# Altium PCB 温湿度光照传感.PcbDoc
Units mm, origin at the board's own origin, x right, y up, seen from the top; angles counter-clockwise.
Board outline 66.85 x 76.13 mm, 2 copper layers (Top Layer, Bottom Layer); 35 components, 39 nets, 138 pads, 159 vias.
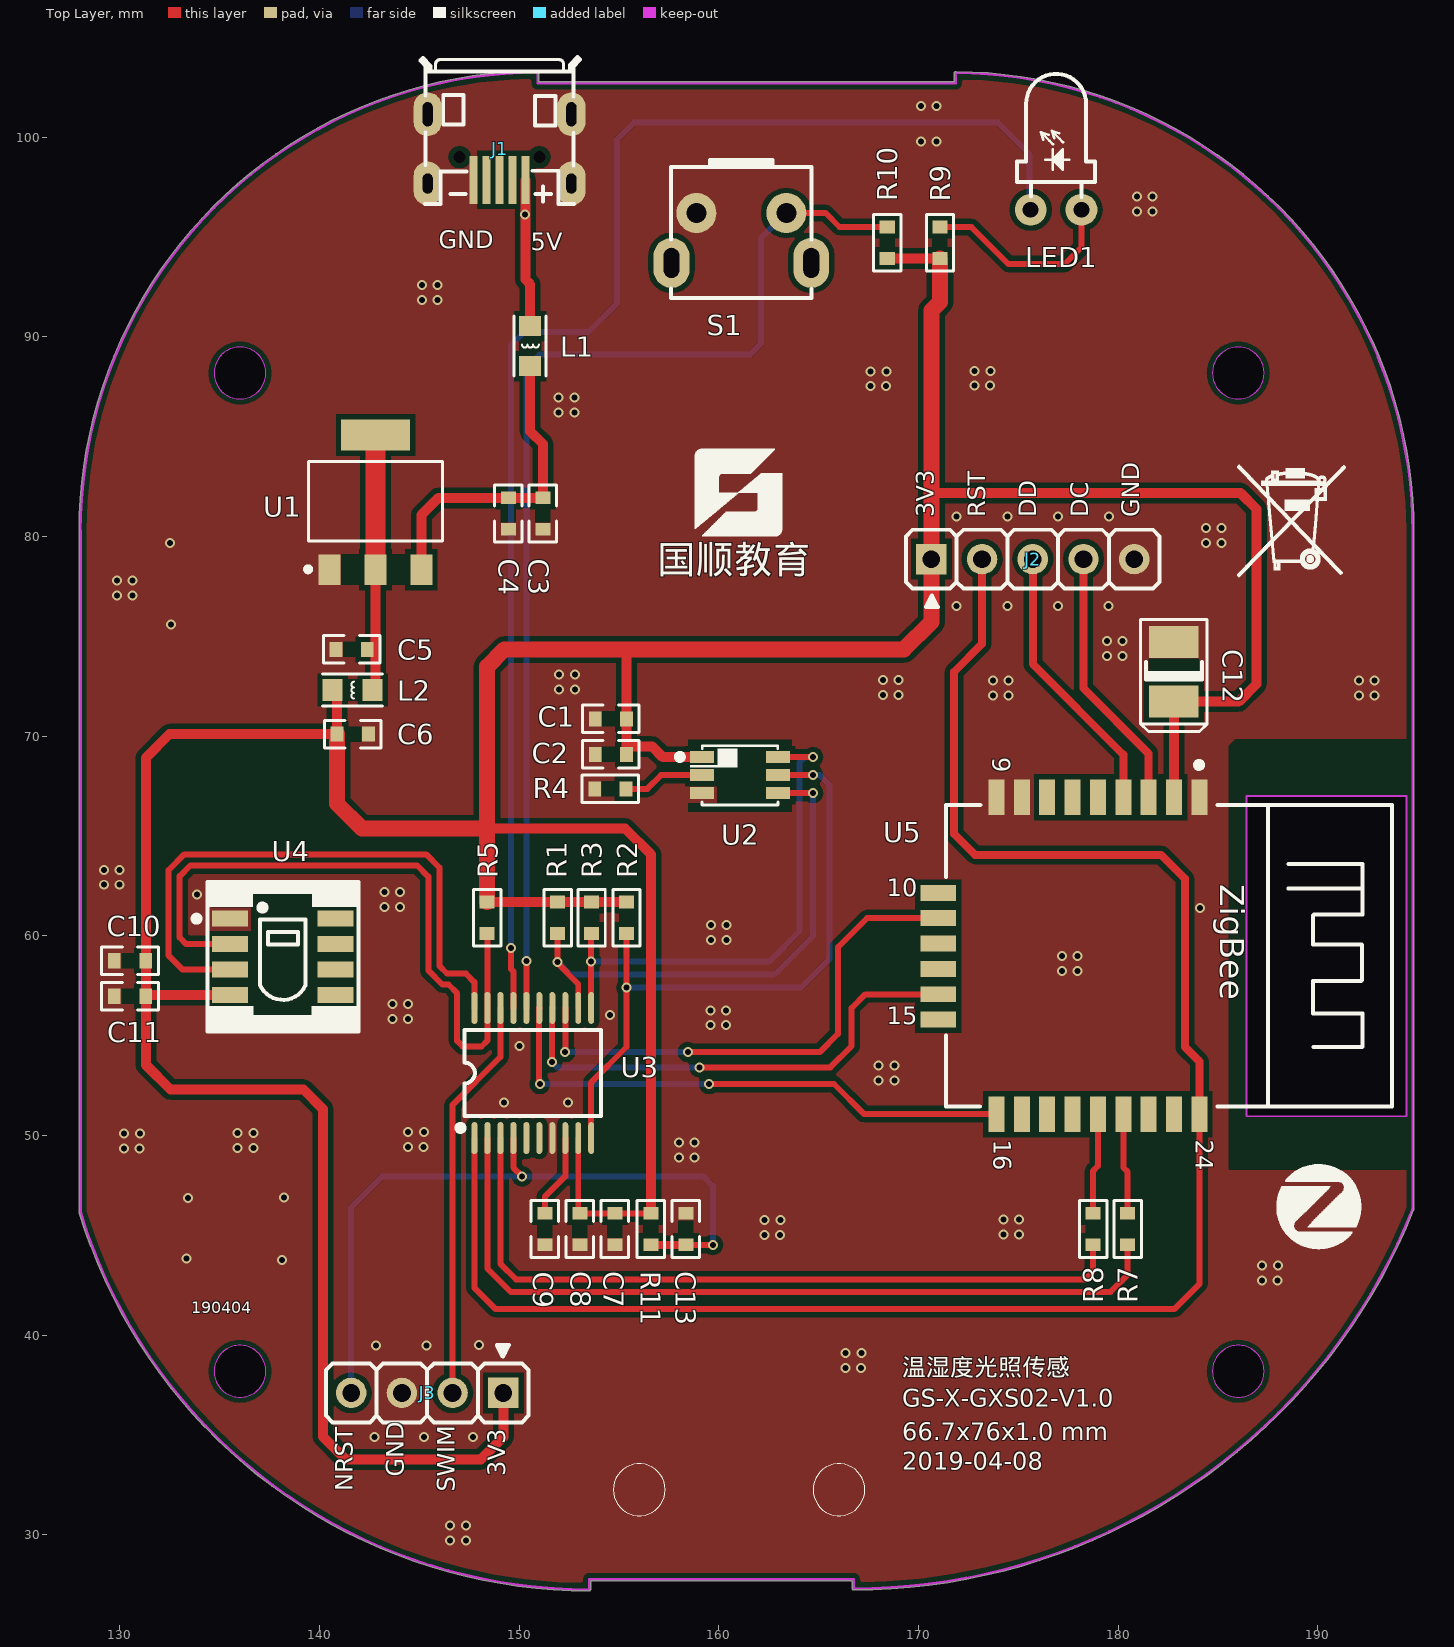
[diagram p0: Top Layer view]
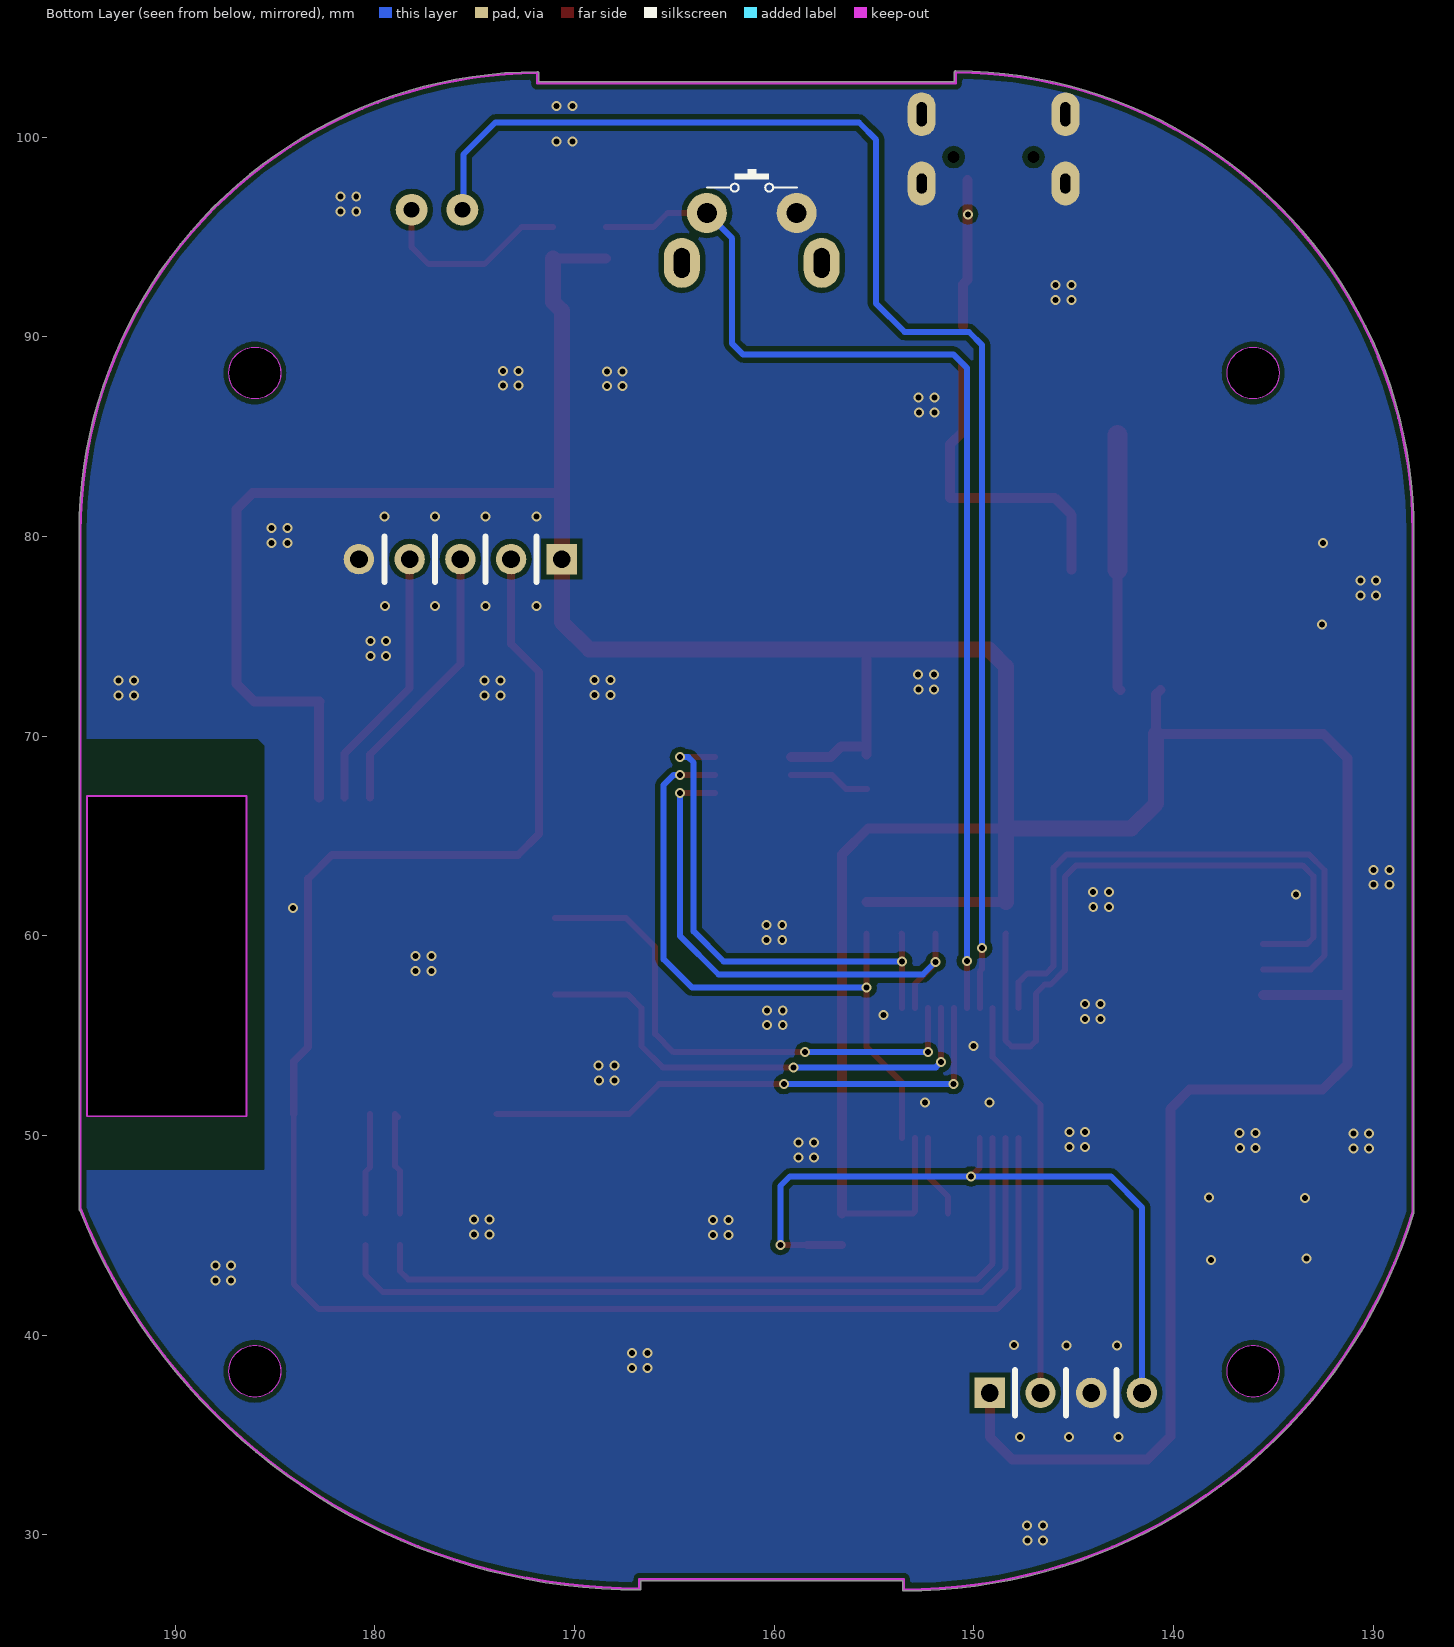
[diagram p1: Bottom Layer view, seen from below]
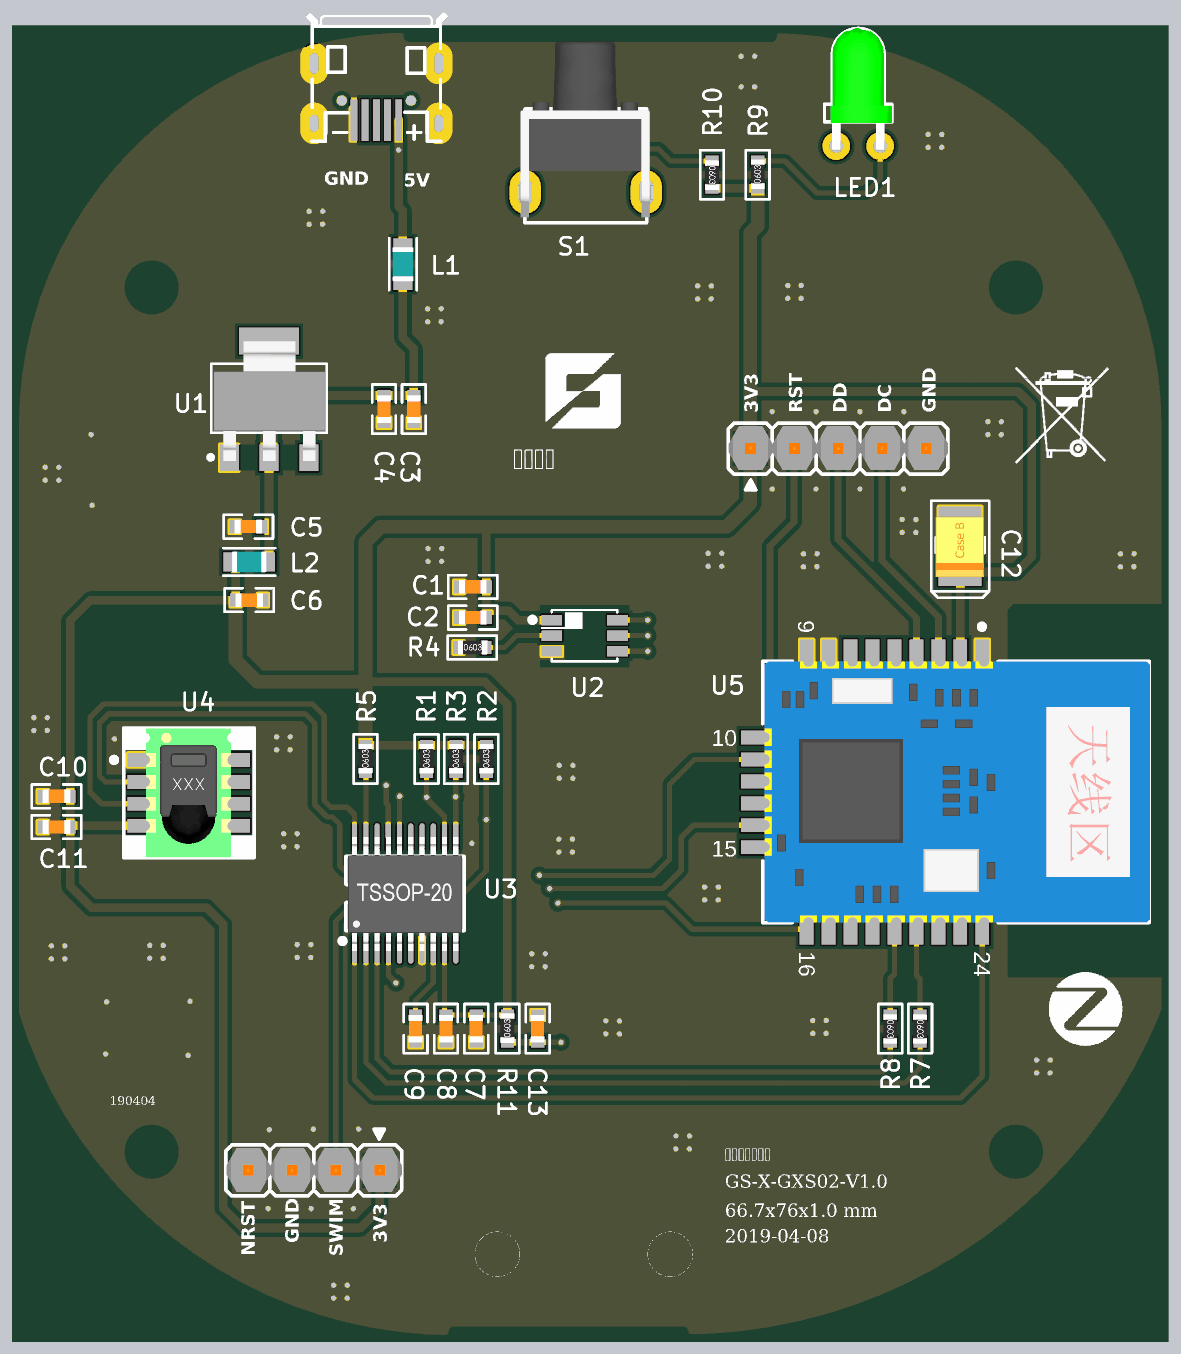
[diagram p2: 3D render of the assembled board from above, using the file's embedded part models]

## Layer stack, top to bottom
Top Solder: solder mask 0.0102, Solder Resist, Dk 3.5
Top Layer: signal copper 0.0356
Dielectric1: dielectric 0.32, FR-4, Dk 4.8
Bottom Layer: signal copper 0.0356
Bottom Solder: solder mask 0.0102, Solder Resist, Dk 3.5

## Board outline
127.969,46.124 cw(c128.024,46.157) 127.96,46.157 127.96,80.232 cw(c128.019,80.256) 127.955,80.256 cw(c151.019,80.256) 150.908,103.32 cw(c150.908,103.256) 150.972,103.256 cw(c150.908,103.256) 150.966,103.229 cw(c150.915,103.191) 150.979,103.191 150.979,102.772 171.793,102.772 171.793,103.175 cw(c171.856,103.175) 171.797,103.197 cw(c171.857,103.219) 171.857,103.283 cw(c171.746,80.22) 194.81,80.22 cw(c194.746,80.22) 194.806,80.2 cw(c194.746,80.18) 194.81,80.18 194.81,46.309 cw(c194.746,46.309) 194.782,46.256 cw(c166.744,57.421) 166.744,27.242 cw(c166.744,27.306) 166.68,27.306 166.68,27.703 153.567,27.703 153.567,27.259 cw(c153.503,27.259) 153.503,27.195 cw(c153.503,53.88)
cut-out: 184.711,88.191 ccw(c186.011,88.191) 186.011,86.891 ccw(c186.011,88.191) 187.311,88.191 ccw(c186.011,88.191) 186.011,89.491 ccw(c186.011,88.191)
cut-out: 134.711,88.191 ccw(c136.011,88.191) 136.011,86.891 ccw(c136.011,88.191) 137.311,88.191 ccw(c136.011,88.191) 136.011,89.491 ccw(c136.011,88.191)
cut-out: 184.711,38.191 ccw(c186.011,38.191) 186.011,36.891 ccw(c186.011,38.191) 187.311,38.191 ccw(c186.011,38.191) 186.011,39.491 ccw(c186.011,38.191)
cut-out: 134.711,38.191 ccw(c136.011,38.191) 136.011,36.891 ccw(c136.011,38.191) 137.311,38.191 ccw(c136.011,38.191) 136.011,39.491 ccw(c136.011,38.191)
cut-out: 186.423,50.965 194.424,50.965 194.424,66.992 186.423,66.992 186.423,66.993

## Design rules (kind name [scope] priority, off if disabled: settings)
Clearance [All] p1: gap=0.254 ignorepadtopadclearanceinfootprint=FALSE except(0: Arc-Hole Track-Hole SMDPad-Hole THPad-Hole Via-Hole Fill-Hole Poly-Hole Region-Hole Text-Hole)
PolygonConnect [All] p1: connectstyle=Direct reliefconductorwidth=0.254 reliefentries=4 polygonreliefangle="90 Angle" airgapwidth=0.254
RoutingVias [All] p1: holewidth=0.711 width=1.27 viastyle="Through Hole" minholewidth=0.711 minwidth=1.27 maxholewidth=0.711 maxwidth=1.27
SolderMaskExpansion [All] p1: expansion=0.102
Width [All] p1: maxlimit=3 minlimit=0.254 preferedwidth=0.254
30 further rules are at their usual default settings.

## Components (designator, comment, footprint, x,y, rotation, side; value= is the part's Value field where it differs from the comment)
C1 "10uF" C0603 154.584,70.866 r180 top
C2 "100nF" C0603 154.584,69.088 r180 top
C3 "10uF" C0603 151.181,81.153 r270 top
C4 "100nF" C0603 149.454,81.153 r270 top
C5 "10uF" C0603 141.605,74.346 r180 top
C6 "100nF" C0603 141.656,70.104 r0 top
C7 "1uF" C0603 154.788,45.314 r270 top
C8 "100nF" C0603 153.035,45.314 r90 top
C9 "1uF" C0603 151.282,45.314 r270 top
C10 "10uF" C0603 130.505,58.75 r180 top
C11 "100nF" C0603 130.505,56.972 r180 top
C12 "10uF/25V" TC3528X21B 182.778,73.228 r90 top
C13 "10nF" C0603 158.344,45.314 r270 top
J1 "MicroUSB" USB-F-MICRO5P 149.011,100.33 r180 top locked
J2 "HDRM-2.54/11-1*5P-AK" HDRM-2.54-1*5P-AK 170.637,78.867 r0 top
J3 "HDRM-2.54/11-1*4P-AK" HDRM-2.54-1*4P-AK 149.2,37.109 r180 top
L1 "742792042" L0805 150.546,89.535 r270 top
L2 "742792042" L0805 141.656,72.314 r180 top
LED1 "F3,绿" LED-F3-G-H 178.156,96.368 r0 top
R1 "47K" R0603 151.917,60.909 r90 top
R2 "47K" R0603 155.372,60.909 r90 top
R3 "47K" R0603 153.619,60.909 r90 top
R4 "10K" R0603 154.559,67.361 r0 top
R5 "10K" R0603 148.387,60.909 r90 top
R7 "1K" R0603 180.467,45.314 r270 top
R8 "1K" R0603 178.74,45.314 r270 top
R9 "1K" R0603 171.069,94.717 r90 top
R10 "10K" R0603 168.427,94.717 r270 top
R11 "10K" R0603 156.591,45.314 r90 top
S1 "6X6X8,黑" SW-6.0X6.0X8.0-STAND-BK 163.373,96.204 r180 top locked
U1 "AMS1117-3.3V" SOT-223 142.799,81.712 r0 top
U2 "TSL2561T_TMB6" TSL2561T 161.061,68.047 r0 top locked
U3 "STM8S103F3P6" TSSOP20-0.65/4.4 150.678,53.13 r0 top locked
U4 "SHT1X" SHT1X 138.151,58.953 r0 top
U5 "ZigBee_Z-0003" MODULE_ZIGBEE_Z-0003 177.521,59.004 r270 top locked

## Footprints (in the part's own frame and the unit in brackets; to place one, negate y for a bottom-side part, rotate by r counter-clockwise, add the part's x,y. Pads: shape width x height; smd on the part's side, far side on the other; paste and mask are expansions set on the pad)
C0603 [mil] "Chip Capacitor, Body 60x30mil"
  rect 25x30 smd: 1(-31,0) 2(31,0)
  Top Layer pour cut-out: -16.73,14.76 -16.73,-14.76 16.73,-14.76 16.73,14.76
  silkscreen extent -56,-27 56,27, body extent -31,-16 32,16, height 31
HDRM-2.54-1*4P-AK [mil]
  rect 60x60 hole 35: 1(0,0)
  round 60 hole 35: 2(100,0) 3(200,0) 4(300,0)
  silkscreen extent -50,-94 350,58, body extent -51,-51 349,49, height 333
HDRM-2.54-1*5P-AK [mil] "直插公座,间距2.54,塑高2.5,1*5,立式180度"
  rect 60x60 hole 35: 1(0,0)
  round 60 hole 35: 2(100,0) 3(200,0) 4(300,0) 5(400,0)
  silkscreen extent -50,-94 450,58, body extent -49,-49 451,51, height 336
L0805 [mm]
  rect 1x1.1 smd: 1(-1,0) 2(1,0)
  Top Layer pour cut-out: -0.505,0.546 -0.505,-0.546 0.486,-0.546 0.486,0.546
  silkscreen extent -1.5,-0.8 1.5,0.8, body extent -1,-0.6 1,0.6, height 0.9
LED-F3-G-H [mm] "F3,绿色,弯插"
  round 1.6 hole 0.8: 1(0,0) 2(-2.54,0)
  silkscreen extent -3.22,0.64 0.68,6.81, body extent -2.87,-0.26 0.68,6.84, height 4.05
MODULE_ZIGBEE_Z-0003 [mil] "蜂汇ZigBee模块"
  rect 70x31.5 smd: 1(-312.5,257.5) 2(-312.5,207.5) 3(-312.5,157.5) 4(-312.5,107.5) 5(-312.5,57.5) 6(-312.5,7.5) 7(-312.5,-42.5) 8(-312.5,-92.5) 9(-312.5,-142.5) 16(312.5,-142.5) 17(312.5,-92.5) 18(312.5,-42.5) 19(312.5,7.5) 20(312.5,57.5) 21(312.5,107.5) 22(312.5,157.5) 23(312.5,207.5) 24(312.5,257.5)
  rect 31.5x70 smd: 10(-124.04,-257.5) 11(-74.04,-257.5) 12(-24.04,-257.5) 13(25.96,-257.5) 14(75.96,-257.5) 15(125.96,-257.5)
  Top Layer pour cut-out: -314.5,665.5 -314.5,350.5 316.5,350.5 316.5,665.5
  Bottom Layer pour cut-out: -314.5,665.5 -314.5,350.5 316.5,350.5 316.5,665.5
  silkscreen extent -382,-243 298,638, body extent -297,-238 297,640, height 71
R0603 [mil]
  rect 25x30 smd: 1(-31,0) 2(31,0)
  Top Layer pour cut-out: -16.73,14.76 -16.73,-14.76 16.73,-14.76 16.73,14.76
  silkscreen extent -56,-27 56,27, body extent -32,-16 34,16, height 22
SHT1X [mm]
  rect 1.8x0.8 smd: 1(-2.64,1.905) 2(-2.64,0.635) 3(-2.64,-0.635) 4(-2.64,-1.905) 5(2.64,-1.905) 6(2.64,-0.635) 7(2.64,0.635) 8(2.64,1.905)
  Top Layer pour cut-out: -3.54,3.75 -3.54,2.475 -1.575,2.475 -1.575,-2.475 -3.54,-2.475 -3.54,-3.75 3.54,-3.75 3.54,-2.475 1.55,-2.475 1.55,2.475 3.759,2.475 3.759,3.75
  silkscreen extent -4.47,-3.75 3.78,3.81, body extent -2.47,-3.73 2.46,3.73, height 2.35
SOT-223 [mm]
  rect 1.1x1.55 smd: 1(-2.3,-3.375) 2(0,-3.375) 3(2.3,-3.375)
  rect 3.45x1.55 smd: 4(0,3.375)
  Top Layer pour cut-out: 0.584,-2.603 0.584,-4.115 1.727,-4.115 1.727,-2.603
  Top Layer pour cut-out: -1.727,-2.603 -1.727,-4.115 -0.584,-4.115 -0.584,-2.603
  silkscreen extent -3.5,-3.48 3.35,2.06, body extent -3.22,-3.57 3.28,3.36, height 1.59
SW-6.0X6.0X8.0-STAND-BK [mm] "6X6mm带支架按键,黑色"
  round 2 hole 1: 1(0,0) 2(4.5,0)
  oval 1.8x2.5 hole 0.8 slot 1.5 at 90 deg: 3(-1.25,2.5) 4(5.75,2.5)
  silkscreen extent -1.27,-2.69 5.77,4.27, body extent -1.96,-6.23 6.54,3.97, height 7.53
TC3528X21B [mm] "Chip Capacitor, Body 3.5x2.8mm, IPC High Density"
  rect 1.6x2.5 smd: 1(-1.499,0) 2(1.499,0)
  Top Layer pour cut-out: -0.66,1.245 -0.66,-1.245 0.66,-1.245 0.66,1.245
  silkscreen extent -3,-1.68 2.62,1.68, body extent -1.79,-1.38 1.71,1.42, height 1.9
TSL2561T [mm] "TMB6光照传感器"
  rect 1.2x0.6 smd: 1(-1.9,0.9) 2(-1.9,0) 3(-1.9,-0.9) 4(1.9,-0.9) 5(1.9,0) 6(1.9,0.9)
  Top Layer pour cut-out: 2.591,-1.829 2.591,-1.422 1.118,-1.422 1.118,1.397 2.591,1.397 2.591,1.778 -2.591,1.778 -2.591,1.397 -1.143,1.397 -1.143,-1.397 -2.591,-1.397 -2.591,-1.829
  silkscreen extent -3.17,-1.49 1.88,1.48, body extent -1.9,-1.34 1.91,1.33, height 0.8
TSSOP20-0.65/4.4 [mm] "Shrink Small Outline; 20 Leads; Body Width 4.4 mm; Pitch 0.65 mm"
  oval 0.3x1.6 smd: 1(-2.925,-3.258) 2(-2.275,-3.258) 3(-1.625,-3.258) 4(-0.975,-3.258) 5(-0.325,-3.258) 6(0.325,-3.258) 7(0.975,-3.258) 8(1.625,-3.258) 9(2.275,-3.258) 10(2.925,-3.258) 11(2.925,3.258) 12(2.275,3.258) 13(1.625,3.258) 14(0.975,3.258) 15(0.325,3.258) 16(-0.325,3.258) 17(-0.975,3.258) 18(-1.625,3.258) 19(-2.275,3.258) 20(-2.925,3.258)
  silkscreen extent -3.77,-2.9 3.4,2.15, body extent -3.3,-3.33 3.3,3.27, height 1.2
USB-F-MICRO5P [mm] "usb数据线头（5pin）"
  rect 0.4x2.4 smd: 1(-1.295,2.466) 2(-0.645,2.466) 3(0.005,2.466) 4(0.655,2.466) 5(1.305,2.466)
  round 0.3 hole 0.6: 6(2,1.329) 7(-2,1.329)
  oval 1.4x2.2 hole 0.5 slot 1 at 90 deg: 8(3.6,2.649) 10(-3.6,2.649)
  oval 1.4x2.2 hole 0.5 slot 1.2 at 90 deg: 9(3.6,-0.821) 11(-3.6,-0.821)
  silkscreen extent -4.04,-3.68 3.96,3.69, body extent -3.9,-3.5 3.9,3.05, height 2.88

## Part data
C1 C3 C5 C10: library part 10uF_16V_0603, "Capacitor", 物料名称=贴片电容, 编码=无, 规格/型号=10uF,16V,0603
C2 C4 C6 C8 C11: library part 100nF_50V_0603, "Capacitor", 物料名称=贴片电容, 编码=无, 规格/型号=100nF,50V,0603
C7 C9: library part 1uF_25V_X7R_0603, "Capacitor", 物料名称=贴片电容, 编码=无, 规格/型号=1uF,25V,X7R,0603
C12: library part CAPC-10uF/25V_3528B, "钽电容,10uF/25V-3528B", 物料名称=贴片钽电容, 编码=1010202012, 规格/型号=钽电容,10uF,25V,3528,B型
C13: library part 10nF_16V_0603, "Capacitor", 物料名称=贴片电容, 编码=无, 规格/型号=10nF,16V,0603
J1: library part USB-F-Miro5P, "MicroUSB 母座"
J2 J3: "排针,直"
  J3: 物料名称=排针, 规格/型号=排针,间距2.54,针长11mm,1*4P,180°直插
L1 L2: library part BEAD-742792042_0805, "WE-CBF,600@100M,500Ohm,200mA,0805,742792042", 单价=0.04, 品牌=WE, 物料名称=贴片磁珠, 规格/型号=WE-CBF,磁珠,600@100M，500Ohm,200mA,0805,742792042
LED1: library part LED-绿_F3, "F3,圆头,绿发绿"
R1 R2 R3: library part 47K_5%_0603, "47K,±5%,0603", 单价=0.02, 参数=±5%, 物料名称=贴片电阻, 规格/型号=47K,±5%,0603
R4 R5 R10 R11: library part 10K_5%_0603, "10K,±5%,0603", 单价=0.02, 参数=±5%, 物料名称=贴片电阻, 规格/型号=10K,±5%,0603
R7 R8 R9: library part 1K_5%_0603, "1K,±5%,0603", 单价=0.02, 参数=±5%, 物料名称=贴片电阻, 编码=1010101190, 规格/型号=1K,±5%,0603
S1: library part SW-PB_6X6X8-STAND-BK, "6X6X8,黑,插针,支架"
U1: library part AMS1117-3.3V_SOT223, "三端稳压器", 单价=0.18, 物料名称=贴片稳压芯片, 编码=1010402018, 规格/型号=AMS1117-3.3,SOT-223
U2: "光照传感器"
U3: library part STM8S103F3P6_TSSOP20, "STM8 ARM-based 32-bit MCU with 8 Kbytes Flash, 20-pin TSSOP, Industrial Temperature", 物料名称=贴片芯片, 规格/型号=STM8S103F3P6,TSSOP20
U4: "温湿度传感器", 供应商=无, 品牌=SENSIRION, 物料名称=温湿度传感器, 编码=1012001004, 规格/型号=SHT11,贴片
U5: library part Module_ZigBee_Z-0003_1, "zigbee模块接口"

## Via types
v1: diameter 0.5, hole 0.3, Top Layer to Bottom Layer, tented both sides, 159 vias

## Nets (pads, with @x,y where several pads share a name; then routed paths per layer and width w, separated by ;. In a path a pad name is that pad's centre, name@x,y a point inside that pad or via, vN(x,y) a via of type N, cw(c..) or ccw(c..) an arc to the next point about the centre after c; other vN are vias at no path point)
2561_INT: R2.1 U2.5 U3.10 | length 33.2
  Top Layer w0.3: U3.10 153.603,52.663 155.372,54.432 v1(155.372,57.404) R2.1 ; U2.5 v1(164.708,68.047)
  Bottom Layer w0.3: v1(155.372,57.404) 164.109,57.404 165.532,58.826 165.532,67.564 165.049,68.047 v1(164.708,68.047)
2561_SCL: R1.1 U2.4 U3.12 | length 26.9
  Top Layer w0.3: R1.1 v1(151.917,58.699) 151.917,58.623 152.953,57.588 U3.12 ; U2.4 v1(164.708,67.147)
  Bottom Layer w0.3: v1(151.917,58.699) 152.552,58.064 162.789,58.064 164.708,59.984 v1(164.708,67.147)
2561_SDA: R3.1 U2.6 U3.11 | length 25.8
  Top Layer w0.3: U3.11 153.603,60.106 R3.1 ; U2.6 v1(164.708,68.947)
  Bottom Layer w0.3: v1(153.594,58.725) 162.535,58.725 164.033,60.223 164.033,68.682 164.298,68.947 v1(164.708,68.947)
+3V3: C1.1 C2.1 C6.1 C7.1 C8.2 C10.1 C11.1 C12.1 J2.1 J3.1 L2.2 R1.2 R2.2 R3.2 R5.2 R9.1 R10.2 R11.2 U2.1 U3.9 U4.4 U5.2 | length 222.6
  Top Layer w0.3: U3.9 152.953,46.183 C8.2 C7.1 R11.2
  Top Layer w0.5: C11.1@131.547,57.048 U4.4 ; L2.2 140.868,72.101 C6.1 132.486,70.104 131.293,68.91 C10.1 C11.1 131.293,53.543 132.537,52.299 139.192,52.299 140.157,51.333 140.157,34.925 141.3,33.782 148.082,33.782 149.2,34.9 J3.1 ; R5.2 R1.2 R3.2 R2.2 ; 148.387,65.38 155.296,65.38 156.591,64.084 R11.2 ; C2.1 155.372,69.494 ; 155.448,74.346 155.372,74.27 C1.1 155.372,69.494 ; U2.1 157.19,68.947 156.642,69.494 155.372,69.494 ; R10.2 R9.1 ; 170.637,82.169 186.131,82.169 186.919,81.382 186.919,72.619 186.03,71.73 C12.1 182.791,71.717 U5.2
  Top Layer w0.8: C6.1 140.868,66.624 142.113,65.38 148.387,65.38 ; R5.2 148.387,65.38 ; R9.1 171.069,91.745 170.637,91.313 170.637,82.169 J2.1 170.637,75.717 169.266,74.346 155.448,74.346 149.25,74.346 148.387,73.482 148.387,65.38
+5V: C3.1 C4.1 L1.2 U1.3 | length 16
  Top Layer w0.5: U1.3 145.099,81.091 145.948,81.94 C4.1 C3.1 151.181,84.633 150.546,85.268 L1.2
GND: C1.2 C2.2 C3.2 C4.2 C5.2 C6.2 C7.2 C8.1 C9.2 C10.2 C11.2 C12.2 C13.1 J1.5 J1.8 J1.9 J1.10 J1.11 J2.5 J3.3 R4.1 S1.2 U1.1 U2.3 U3.7 U4.1 U5.1 U5.8 U5.9
  other v1: 146.539,29.718 147.32,29.718 146.539,30.467 147.327,30.467 142.748,34.9 145.237,34.9 147.684,34.9 166.34,38.354 167.121,38.354 166.34,39.103 167.128,39.103 142.824,39.472 145.364,39.491 147.98,39.497 187.205,42.748 187.985,42.748 187.205,43.497 187.992,43.497 138.125,43.764 133.341,43.84 162.287,45.009 163.068,45.009 174.251,45.034 175.031,45.034 162.287,45.757 163.075,45.757 174.251,45.783 175.038,45.783 133.401,46.863 138.227,46.896 157.995,48.895 158.775,48.895 130.207,49.352 130.988,49.352 135.897,49.378 136.677,49.378 144.431,49.428 145.212,49.428 157.995,49.644 158.782,49.644 130.207,50.101 130.994,50.101 135.897,50.126 136.684,50.126 144.431,50.177 145.218,50.177 149.225,51.664 152.451,51.664 168.002,52.756 168.783,52.756 168.002,53.504 168.79,53.504 150.012,54.483 159.569,55.524 160.35,55.524 143.644,55.841 144.424,55.841 154.534,56.032 159.569,56.273 160.357,56.273 143.644,56.59 144.431,56.59 177.172,58.242 177.952,58.242 177.172,58.991 177.959,58.991 159.595,59.792 160.376,59.792 159.595,60.54 160.382,60.54 184.099,61.392 143.237,61.443 144.018,61.443 133.858,62.078 143.237,62.191 144.025,62.191 129.191,62.56 129.972,62.56 129.191,63.309 129.978,63.309 173.717,72.034 174.498,72.034 192.056,72.034 192.837,72.034 168.205,72.06 168.986,72.06 152,72.339 152.781,72.339 173.717,72.783 174.505,72.783 192.056,72.783 192.843,72.783 168.205,72.808 168.993,72.808 152,73.088 152.788,73.088 179.432,74.016 180.213,74.016 179.432,74.764 180.22,74.764 132.563,75.59 171.907,76.53 174.447,76.53 176.987,76.53 179.502,76.53 129.851,77.038 130.632,77.038 129.851,77.787 130.639,77.787 132.512,79.68 184.385,79.68 185.166,79.68 184.385,80.428 185.173,80.428 171.907,81.001 174.447,81.001 176.987,81.001 179.527,81.001 151.975,86.208 152.756,86.208 151.975,86.956 152.762,86.956 167.596,87.528 168.377,87.528 172.803,87.554 173.584,87.554 167.596,88.277 168.383,88.277 172.803,88.302 173.59,88.302 145.117,91.846 145.898,91.846 145.117,92.595 145.904,92.595 180.931,96.291 181.712,96.291 180.931,97.04 181.718,97.04 170.11,99.797 170.891,99.797 170.11,101.561 170.898,101.561
KEY: R10.1 S1.1 U3.16 | length 56.7
  Top Layer w0.3: U3.16 v1(150.353,58.75) ; S1.1 165.34,96.204 166.04,95.504 R10.1
  Bottom Layer w0.3: v1(150.353,58.75) 150.353,88.453 151.01,89.11 161.551,89.11 162.103,89.662 162.103,94.934 S1.1
LED1: LED1.2 U3.17 | length 72.3
  Top Layer w0.3: v1(149.581,59.385) 149.581,58.344 149.699,58.225 149.699,56.392 U3.17
  Bottom Layer w0.3: v1(149.581,59.385) 149.581,89.586 150.241,90.246 153.467,90.246 154.889,91.669 154.889,99.873 155.753,100.736 173.965,100.736 175.565,99.136 LED1.2@175.565,96.164
NetC5_1: C5.1 L2.1 U1.2 U1.4 | length 12.8
  Top Layer w0.5: L2.1 142.799,72.457 U1.2
  Top Layer w1: U1.2 U1.4
NetC9_1: C9.1 U3.8 | length 4.2
  Top Layer w0.3: C9.1 151.282,46.939 152.303,47.96 U3.8
NetJ1_1: J1.1 L1.1 | length 7.4
  Top Layer w0.5: J1.1 150.306,92.874 150.546,92.634 L1.1
  other v1: 150.292,96.139
NetLED1_1: LED1.1 R9.2 | length 10.1
  Top Layer w0.3: R9.2 172.644,95.504 174.498,93.65 177.317,93.65 178.156,94.488 LED1.1
NetR4_2: R4.2 U2.2 | length 4.1
  Top Layer w0.3: R4.2 156.413,67.361 157.099,68.047 U2.2
NRST: C13.2 J3.4 R11.1 U3.4 | length 36.4
  Top Layer w0.3: U3.4 149.703,48.392 v1(150.139,47.955) ; C13.2 v1(159.69,44.526)
  Top Layer w0.4: R11.1 C13.2
  Bottom Layer w0.3: J3.4 141.58,46.406 143.129,47.955 v1(150.139,47.955) 159.207,47.955 159.69,47.473 v1(159.69,44.526)
P0.0: U5.23
P0.1: U5.22
P0.2: R7.1 U5.21 | length 5.1
  Top Layer w0.3: U5.21 180.251,48.4 180.467,48.184 R7.1
P0.3: R8.1 U5.20 | length 5.3
  Top Layer w0.3: R8.1 178.74,48.235 178.981,48.476 U5.20 U5.20@178.841,50.927
P0.4: U5.19
P0.5: U5.18
P0.6: U5.17
P0.7: U3.15 U5.16 | length 27.3
  Top Layer w0.3: U3.15 150.99,56.375 150.99,52.616 v1(151.028,52.578) ; v1(159.512,52.578) 165.76,52.578 167.272,51.067 U5.16
  Bottom Layer w0.3: v1(151.028,52.578) v1(159.512,52.578)
P1.0: U5.15
P1.1: U3.14 U5.14 | length 24.8
  Top Layer w0.3: v1(151.644,53.67) 151.644,56.379 U3.14 ; v1(159.029,53.416) 165.583,53.416 166.649,54.483 166.649,56.388 167.336,57.075 U5.14
  Bottom Layer w0.3: v1(151.644,53.67) 151.898,53.416 v1(159.029,53.416)
P1.2: U5.13
P1.3: U5.12
P1.4: U3.13 U5.11 | length 26.2
  Top Layer w0.3: v1(152.298,54.178) 152.303,54.183 U3.13 ; v1(158.445,54.178) 165.049,54.178 165.964,55.093 165.964,59.436 167.412,60.885 U5.11
  Bottom Layer w0.3: v1(152.298,54.178) v1(158.445,54.178)
P1.5: U5.10
P1.6: U5.7
P1.7: U5.6
P2.0: U5.5
P2.1: J2.3 U5.4 | length 13.8
  Top Layer w0.4: J2.3 175.717,73.609 180.251,69.075 U5.4
P2.2: J2.4 U5.3 | length 13.3
  Top Layer w0.4: J2.4 178.257,72.403 181.521,69.139 U5.3
RESET: J2.2 U3.1 U5.24 | length 92.2
  Top Layer w0.3: U3.1 147.753,42.366 148.819,41.3 182.804,41.3 184.061,42.558 U5.24
  Top Layer w0.4: J2.2 173.177,74.625 171.78,73.228 171.78,65.1 172.822,64.059 182.143,64.059 183.337,62.865 183.337,54.432 184.061,53.708 U5.24
SHT10_SCL: U3.20 U4.3 | length 30.1
  Top Layer w0.3: U4.3 133.121,58.318 132.436,59.004 132.436,63.297 133.223,64.084 145.339,64.084 145.999,63.424 145.999,58.496 146.38,58.115 147.32,58.115 147.753,57.682 U3.20
SHT10_SDA: R5.1 U3.19 U4.2 | length 34.8
  Top Layer w0.3: U4.2 133.32,59.588 132.99,59.919 132.99,62.987 133.533,63.53 144.877,63.53 145.44,62.967 145.44,58.272 146.151,57.561 146.452,57.561 146.888,57.125 146.888,54.737 147.168,54.458 148.107,54.458 148.403,54.753 U3.19 148.403,60.106 R5.1
SWIM: J3.2 U3.18 | length 20.3
  Top Layer w0.3: J3.2 146.66,51.537 149.053,53.93 U3.18
Zigbee-RX1: R7.2 U3.2 | length 40.9
  Top Layer w0.3: U3.2 148.403,43.342 149.581,42.164 179.603,42.164 180.467,43.028 R7.2
Zigbee-TX1: R8.2 U3.3 | length 37.8
  Top Layer w0.3: U3.3 149.053,43.581 149.835,42.799 178.333,42.799 178.74,43.205 R8.2
pads on no net: J1.2 J1.3 J1.4 J1.6 J1.7 S1.3 S1.4 U3.5 U3.6 U4.5 U4.6 U4.7 U4.8

## Polygon pours and split planes (outlines as drawn)
GND on Bottom Layer "Bottom Layer-GND" (solid, remove dead copper, pour order 8): 125.781,104.267 189.154,104.267 198.374,95.047 198.374,70.612 197.637,69.875 185.869,69.875 185.513,69.52 185.513,48.319 185.572,48.26 196.596,48.26 197.637,47.219 197.637,27.28 193.726,23.368 192.862,24.232 121.615,24.232
GND on Top Layer "Top Layer-GND" (solid, remove dead copper, pour order 10): 125.781,104.267 189.154,104.267 198.374,95.047 198.374,70.612 197.637,69.875 185.869,69.875 185.513,69.52 185.513,48.319 185.572,48.26 196.596,48.26 197.637,47.219 197.637,27.28 193.726,23.368 192.862,24.232 121.615,24.232

## Keep-outs
Keep-Out Layer:
  circle w0.013: c136.011,88.191 r1.3
  circle w0.013: c186.011,88.191 r1.3
  circle w0.013: c186.011,38.191 r1.3
  circle w0.013: c136.011,38.191 r1.3
  lines w0.1: 186.423,50.965 194.424,50.965 194.424,66.992 186.423,66.992 186.423,50.965
  lines w0.127: 128.019,80.256 cw(c151.019,80.256) 150.908,103.256 ; 128.024,46.157 128.024,80.291 ; 128.026,46.157 ccw(c153.503,53.88) 153.503,27.259 153.503,27.767 166.744,27.767 166.744,27.306 ccw(c166.744,57.421) 194.734,46.309 ; 150.915,102.708 171.856,102.708 ; 150.915,102.734 150.915,103.191 ; 171.856,102.734 171.856,103.175 ; 171.857,103.219 cw(c171.746,80.22) 194.746,80.22 ; 194.746,46.309 194.746,80.18

## Silkscreen, mask and mechanical layers (free items; w line width, h text height)
Top Overlay:
  drawing of 5857 lines, arcs and shapes, not listed
  text "GND" at 145.974,94.132 h1.5
  text "5V" at 150.571,94.031 h1.5
  text "3V3" at 171.069,80.954 h1.5 r90
  text "RST" at 173.641,80.954 h1.5 r90
  text "DD" at 176.201,80.954 h1.5 r90
  text "DC" at 178.784,80.954 h1.5 r90
  text "GND" at 181.356,80.954 h1.5 r90
  text "国顺教育" at 156.921,77.687 h2.4
  text "190404" at 133.579,40.894 h1
  text "温湿度光照传感" at 169.172,37.676 h1.5
  text "GS-X-GXS02-V1.0" at 169.172,36.108 h1.5
  text "66.7x76x1.0 mm" at 169.172,34.429 h1.5
  text "3V3" at 149.606,32.935 h1.5 r90
  text "2019-04-08" at 169.172,32.952 h1.5
  text "GND" at 144.509,32.906 h1.5 r90
  text "NRST" at 141.961,32.177 h1.5 r90
  text "SWIM" at 147.058,32.155 h1.5 r90
Mechanical 1:
  drawing of 439 lines, arcs and shapes, not listed
  text "57,2" at 2034.279,1494.857 h2.5
  text "61,2" at 2079.339,1453.517 h2.5 r90
  text "12,4" at 1997.908,1431.118 h2.5 r90
  text "5" at 1989.036,1418.069 h2.5
  text "制板说明：" at 51.933,-14.074 h2
  text "制板说明：" at -27.983,-53.764 h1
  text "1. 电路板边框依KeepOut层" at -29.405,-57.04 h1
Mechanical 2:
  circle w0.006: c2005.679,1485.367 r0.003
  circle w0.006: c2062.879,1485.367 r0.003
  circle w0.006: c2062.879,1493.98 r0.003
  circle w0.006: c2062.879,1485.367 r0.003
  circle w0.006: c2062.879,1424.167 r0.003
  circle w0.006: c2081.466,1424.167 r0.003
  circle w0.006: c1986.536,1426.168 r0.003
  circle w0.006: c1991.536,1426.168 r0.003
  circle w0.006: c1991.536,1417.423 r0.003
  circle w0.006: c1991.536,1438.568 r0.003
  circle w0.006: c1991.536,1426.168 r0.003
  circle w0.006: c2000.036,1426.168 r0.003
  text "1. 电路板边框 画在KeepOut 层" at 53.975,-16.993 h2
  text "2. 制板说明放置在Mechanical2 层" at 53.95,-19.85 h2
  text "3. V型槽在Mechanical3 层" at 53.95,-22.676 h2
  text "4. PCB厂商编号请放置指定位置(GTAGTA)" at 53.95,-25.502 h2
Mechanical 16:
  drawing of 3771 lines, arcs and shapes, not listed
  text "1" at 74.345,148.394 h1.78
  text "2" at 146.989,148.394 h1.78
  text "3" at 220.141,148.394 h1.78
  text "4" at 293.039,148.394 h1.78
  text "A" at 40.005,125.381 h1.78
  text "A" at 327.025,125.381 h1.78
  text "B" at 40.005,77.325 h1.78
  text "B" at 327.025,77.325 h1.78
  text "C" at 40.005,28.811 h1.78
  text "C" at 327.025,28.811 h1.78
  text "PCB制板工艺" at 258.928,-12.268 h3
  text "GS-X-GXS02" at 189.967,-13.411 h4
  text "66.7 x 76" at 247.371,-15.316 h2.2
  text "（厂商内部编号请放置指定位置）" at 264.439,-15.316 h1.5
  text "板子大小" at 237.795,-15.342 h2
  text "（mm）" at 259.309,-15.443 h2
  text "温湿度光照传感" at 189.865,-17.805 h3.5
  text "0.8" at 249.575,-18.272 h2.2
  text "1.0" at 257.88,-18.272 h2.2
  text "1.2" at 266.415,-18.272 h2.2
  text "1.6" at 275.838,-18.261 h2.2
  text "2.0" at 284.881,-18.272 h2.2
  text "板子厚度" at 237.795,-18.3 h2
  text "☆" at 247.365,-18.35 h2
  text "★" at 255.685,-18.35 h2
  text "☆" at 264.205,-18.35 h2
  text "☆" at 273.247,-18.35 h2
  text "☆" at 282.671,-18.35 h2
  text "D" at 40.005,-19.195 h1.78
  text "D" at 327.025,-19.195 h1.78
  text "1" at 249.829,-21.195 h2.2
  text "mm" at 282.372,-21.222 h2
  text "V1.0" at 198.653,-21.285 h2.5
  text "日  期：" at 214.147,-21.295 h2
  text "2019-04-08" at 223.241,-21.285 h2.5
  text "☆" at 247.365,-21.274 h2
  text "★" at 255.685,-21.274 h2
  text "版  本：" at 188.798,-21.311 h2
  text "板子层数" at 237.795,-21.303 h2
  text "2" at 258.128,-21.347 h2.2
  text "0.3" at 273.787,-21.336 h2.2
  text "最小过孔" at 264.194,-21.385 h2
  text "项目名称：" at 188.798,-24.028 h2
  text "★单片" at 247.365,-24.062 h2
  text "☆连片" at 255.685,-24.054 h2
  text "0.3" at 273.99,-24.054 h2.2
  text "mm" at 282.372,-24.054 h2
  text "江工物联网" at 198.653,-24.079 h2
  text "交货形式" at 237.795,-24.078 h2
  text "最小线宽" at 264.194,-24.078 h2
  text "☆黑色" at 273.609,-26.848 h2
  text "☆白色" at 282.671,-26.848 h2
  text "设计组：" at 188.798,-26.873 h2
  text "智能实训室产品部" at 198.653,-26.873 h2
  text "★绿色" at 247.365,-26.897 h2
  text "☆红色" at 255.685,-26.897 h2
  text "☆蓝色" at 264.194,-26.897 h2
  text "阻焊颜色" at 237.795,-26.973 h2
  text "深圳市国顺教育科技" at 292.583,-27.635 h3
  text "☆黑色" at 247.365,-29.889 h2
  text "★白色" at 255.685,-29.904 h2
  text "李剑平" at 198.653,-29.921 h2
  text "杨青" at 223.241,-29.921 h2
  text "字符颜色" at 237.795,-29.92 h2
  text "特殊工艺" at 264.016,-29.921 h2
  text "无" at 273.109,-29.921 h2
  text "设  计：" at 188.798,-29.941 h2
  text "绘  图：" at 214.224,-29.956 h2
  text "有限公司" at 292.583,-30.683 h3
  text "焊盘喷锡" at 237.795,-32.614 h2
  text "批  准：" at 214.224,-32.664 h2
  text "★有铅" at 247.314,-32.673 h2
  text "☆无铅" at 255.685,-32.673 h2
  text "☆沉金" at 264.194,-32.657 h2
  text "检  查：" at 188.798,-32.69 h2
  text "杨青" at 198.653,-32.715 h2
  text "杨青" at 223.241,-32.715 h2
  text "中国广东省深圳市南山区桃源街道" at 292.846,-33.295 h2
  text "SCH编号：" at 188.951,-35.342 h2
  text "打印日期：" at 214.3,-35.365 h2
  text "阻焊覆盖" at 237.795,-35.408 h2
  text "★过孔盖油" at 247.314,-35.467 h2
  text "☆过孔开窗" at 264.194,-35.458 h2
  text "190404" at 198.806,-35.492 h2.2
  text ".PRINT_DATE" at 224.003,-35.49 h2.5
  text "南山智园A4栋1208" at 292.896,-35.589 h2
  text "1" at 74.345,-39.566 h1.78
  text "2" at 146.989,-39.566 h1.78
  text "3" at 220.141,-39.566 h1.78
  text "4" at 293.039,-39.566 h1.78

## Dimensions
128.024,46.157 to 194.734,46.309 on Mechanical 2
128.024,80.291 to 194.746,80.18 on Mechanical 1
134.711,88.191 to 134.711,38.191 on Mechanical 1
-5.766,22.631 to -9.652,37.608 on Mechanical 1
-14.529,-13.818 to -11.413,-38.311 on Mechanical 1
-13.708,12.581 to -16.883,37.575 on Mechanical 1

## Text inside footprints (layer, text, board x,y; h text height)
J1: Mechanical 15 "PCB edge" at 150.712,102.946 h1 r180
S1: Mechanical 15 "PCB Edge" at 163.525,98.312 h1.2 r180
U5: Top Overlay "24" at 183.591,49.784 h1.5 r270; Top Overlay "16" at 173.457,49.784 h1.5 r270; Top Overlay "15" at 168.402,55.27 h1.5; Top Overlay "10" at 168.402,61.671 h1.5; Top Overlay "9" at 173.406,68.936 h1.5 r270; Top Overlay "ZigBee" at 185.102,62.573 h1.2 r270